# KiCad board gk.kicad_pcb (continued)
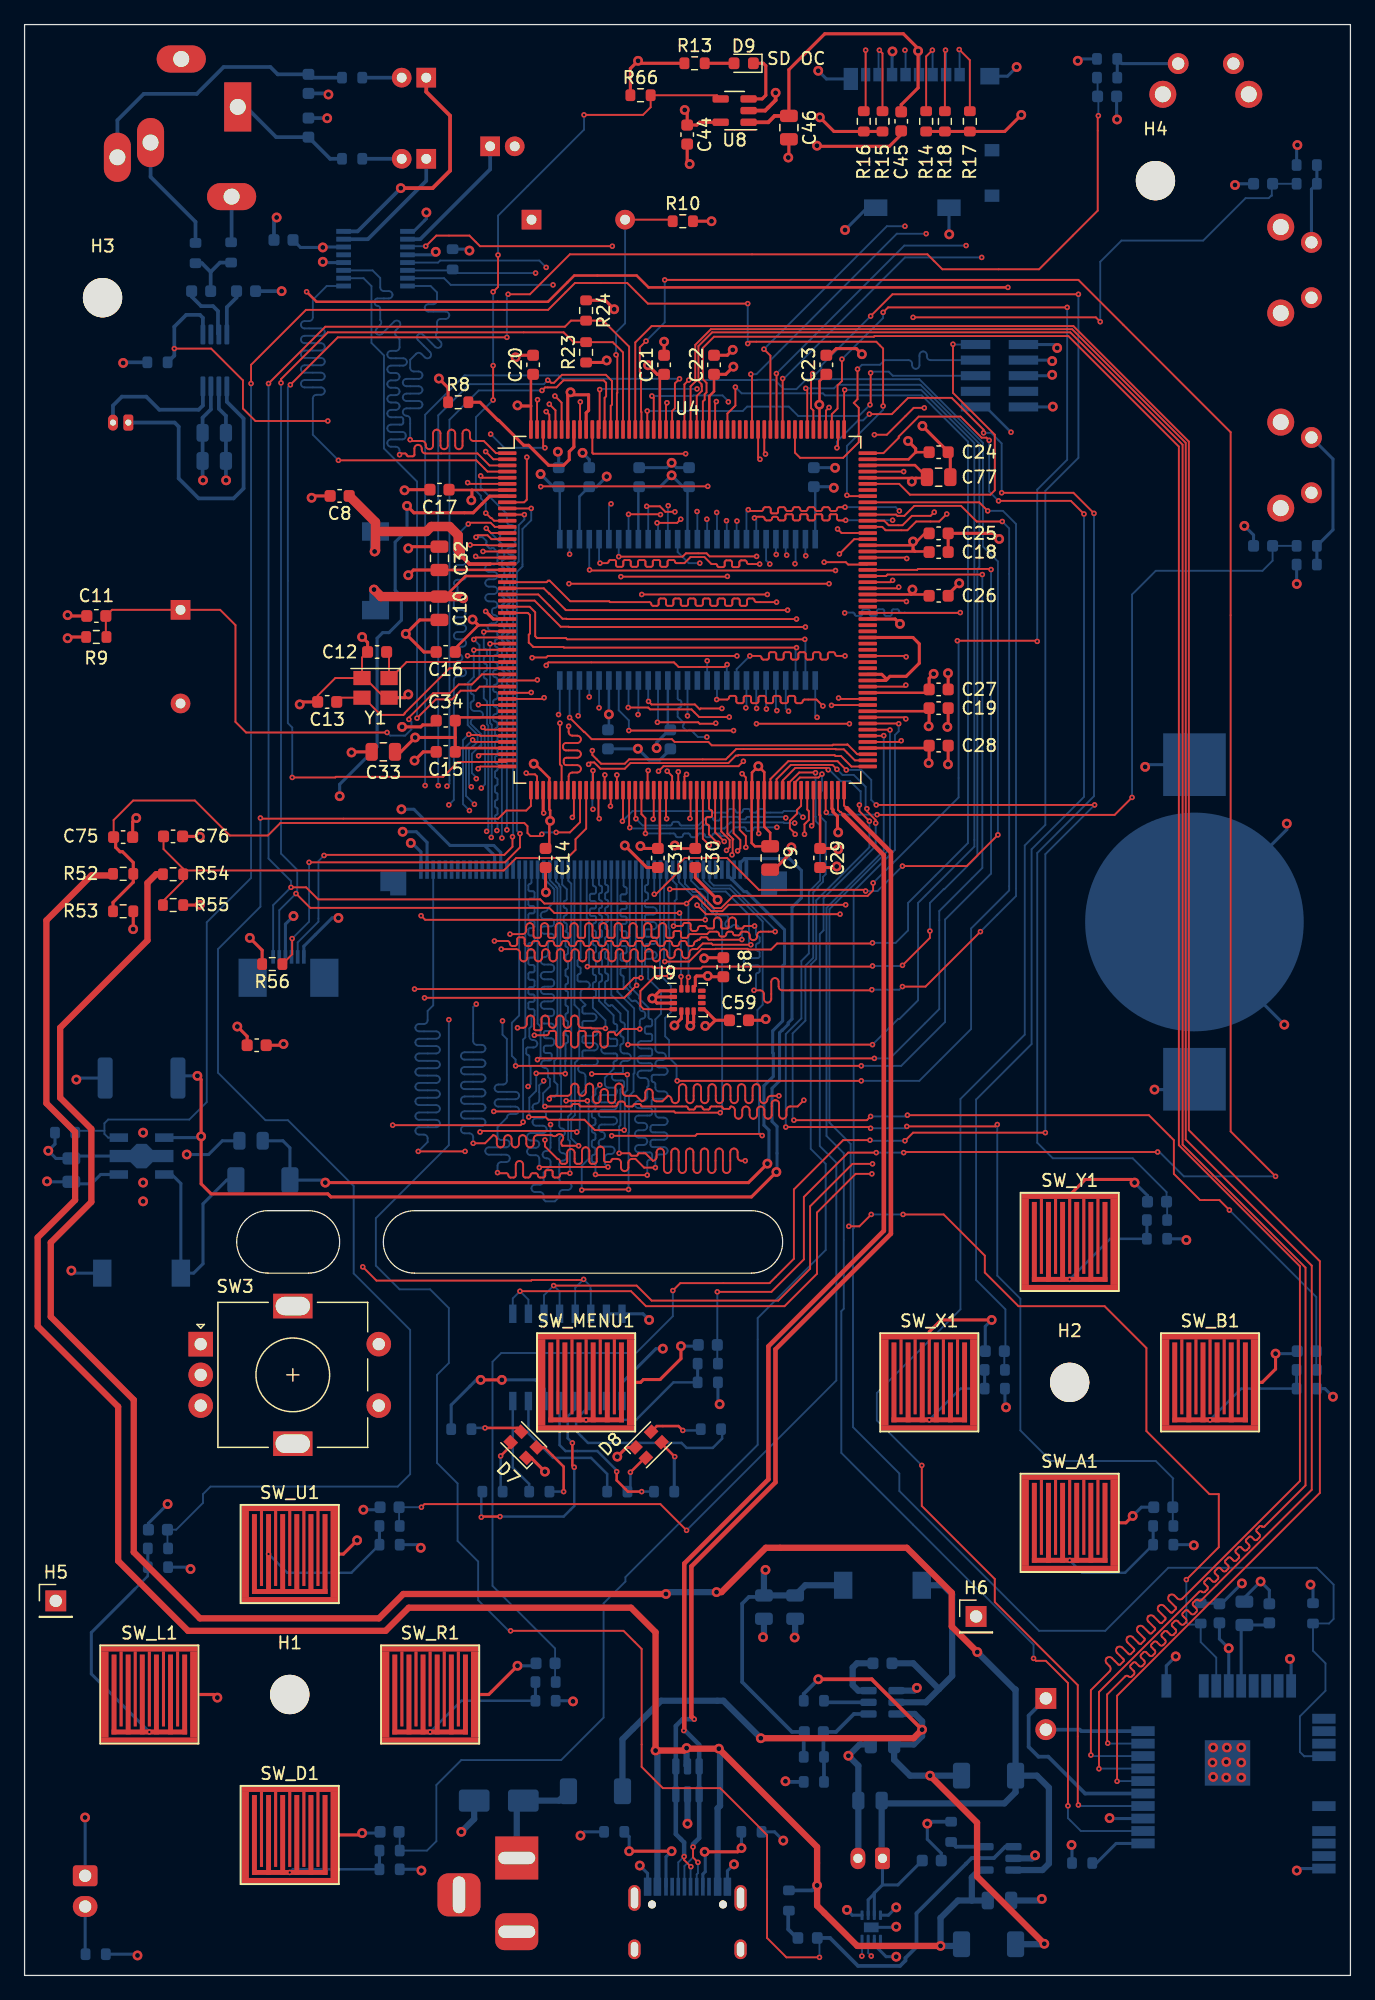
[diagram p0: board, top side]
## Routing (per net, layer and track width the routed paths; a pad name or vN(x,y) marks a point on that pad's centre or on a via; arc(x,y) is an arc through that point) (continued)
  Bottom w0.152: v2(51.5,118.2) 51.58,118.13 U6.11
FMC_D7: length 32.9
  Top w0.152: v2(55.75,91.98) 55.22,92.5 U4.81
  In3.Cu w0.152: v2(55.75,91.98) 55.22,92.5 55.22,92.98 arc(55.18,93.08) 55.08,93.13 arc(54.97,93.17) 54.92,93.28 54.92,93.58 arc(54.97,93.68) 55.08,93.73 arc(55.18,93.77) 55.22,93.88 55.22,94.18 arc(55.18,94.28) 55.08,94.33 arc(54.97,94.37) 54.92,94.48 54.92,94.78 arc(54.97,94.88) 55.08,94.93 arc(55.18,94.97) 55.22,95.08 55.22,95.38 arc(55.18,95.48) 55.08,95.53 arc(54.97,95.57) 54.92,95.68 54.92,95.98 arc(54.97,96.08) 55.08,96.13 arc(55.18,96.17) 55.22,96.28 55.22,96.58 arc(55.18,96.68) 55.08,96.73 arc(54.97,96.77) 54.92,96.88 54.92,97.18 arc(54.97,97.28) 55.08,97.33 55.33,97.33 arc(55.4,97.35) 55.42,97.43 55.42,97.83 arc(55.4,97.9) 55.33,97.93 arc(55.25,97.95) 55.22,98.03 55.22,98.2 54.95,98.48 54.95,114.9 v2(54.97,114.93)
  Bottom w0.152: U6.13 53.17,115.83 54.08,114.93 v2(54.97,114.93)
FMC_D8: length 23.1
  Top w0.152: U4.82 55.72,94.98 arc(55.76,94.89) 55.85,94.85 arc(55.94,94.81) 55.97,94.73 55.97,94.38 arc(55.94,94.29) 55.85,94.25 55.6,94.25 arc(55.51,94.21) 55.47,94.13 55.47,93.78 arc(55.51,93.69) 55.6,93.65 arc(55.69,93.61) 55.72,93.53 55.72,92.85 v2(56.45,92.12)
  In3.Cu w0.152: 55.6,98.55 55.6,98.6 ; 55.6,98.6 55.7,98.5 55.7,97.1 arc(55.67,97.03) 55.6,97 arc(55.53,96.97) 55.5,96.9 55.5,96.5 arc(55.53,96.43) 55.6,96.4 55.83,96.4 arc(55.91,96.36) 55.95,96.28 55.95,95.93 arc(55.91,95.84) 55.83,95.8 55.6,95.8 arc(55.53,95.77) 55.5,95.7 55.5,95.3 arc(55.53,95.23) 55.6,95.2 55.83,95.2 arc(55.91,95.16) 55.95,95.08 55.95,94.73 arc(55.91,94.64) 55.83,94.6 55.6,94.6 arc(55.53,94.57) 55.5,94.5 55.5,94.1 arc(55.53,94.03) 55.6,94 arc(55.67,93.97) 55.7,93.9 55.7,92.85 56.43,92.12 v2(56.45,92.12) ; 55.6,98.6 55.6,99.33 arc(55.64,99.43) 55.75,99.48 arc(55.86,99.52) 55.9,99.63 55.9,99.93 arc(55.86,100.03) 55.75,100.08 arc(55.64,100.12) 55.6,100.23 55.6,100.73 v2(55.55,100.78)
  Bottom w0.152: v2(55.55,100.78) 54.83,100.78 54.27,101.33 arc(54.16,101.37) 54.06,101.33 arc(53.95,101.29) 53.85,101.33 53.63,101.54 arc(53.59,101.65) 53.63,101.75 arc(53.68,101.86) 53.63,101.97 53.17,102.43 53.17,103.03 arc(53.22,103.13) 53.33,103.18 arc(53.43,103.22) 53.47,103.33 53.47,103.63 arc(53.43,103.73) 53.33,103.78 arc(53.22,103.82) 53.17,103.93 U6.42
FMC_D9: length 22.7
  Top w0.152: U4.83 56.22,93.02 v2(56.97,92.28) ; v2(56.27,101.9) 56.23,101.85 54.97,101.85 54.84,101.98 v2(51.52,101.98)
  In3.Cu w0.152: v2(56.27,101.9) 56.22,101.85 56.22,93.02 v2(56.97,92.28)
  Bottom w0.152: v2(51.52,101.98) 51.58,102.03 U6.44
FMC_D10: length 25.2
  Top w0.152: v2(56.77,103.1) 55.05,103.1 54.97,103.03 54.58,103.43 51.05,103.43 v2(50.8,103.68) ; v2(57.15,91.55) 57.41,91.81 57.41,92.4 56.72,93.08 U4.84
  In3.Cu w0.152: v2(56.77,103.1) 56.72,103.05 56.72,98.56 56.77,98.51 56.77,93.4 57.36,92.82 57.36,91.76 v2(57.15,91.55)
  Bottom w0.152: U6.45 50.77,103.7 v2(50.8,103.68)
FMC_D11: length 27.7
  Top w0.152: v2(57.38,102.4) 54.92,102.4 54.3,103.03 50.92,103.03 50.77,103.18 v2(49.15,103.18) ; v2(57.6,91.19) 57.65,91.24 57.65,92.4 57.7,92.45 57.22,92.93 U4.85
  In3.Cu w0.152: v2(57.38,102.4) 57.17,102.2 57.17,93.53 57.6,93.1 v2(57.6,91.19)
  Bottom w0.152: U6.47 49.17,103.2 v2(49.15,103.18)
FMC_D12: length 28.2
  Top w0.152: v2(58.06,91.51) 58.27,91.73 58.27,92.4 57.72,92.95 U4.86 ; v2(57.72,101.3) v2(49.2,101.3)
  In3.Cu w0.152: v2(57.72,101.3) 57.72,95.48 57.88,95.33 57.88,92.8 58.15,92.53 58.15,91.61 v2(58.06,91.51)
  Bottom w0.152: v2(49.2,101.3) 49.2,102.13 48.38,102.95 U6.48
FMC_D13: length 31.1
  Top w0.152: U4.105 67.33,98.38 66.47,99.23 66.02,99.23 65.95,99.3 58.12,99.3 58.08,99.26 57.91,99.26 57.3,98.65 49.33,98.65 48.87,98.2 46.89,98.2 46.38,98.7 46.08,98.7 v2(45.92,98.55)
  In3.Cu w0.152: v2(45.92,98.55) 46.79,99.42 46.79,101.3 46.69,101.4 46.69,103.06 v2(46.77,103.15)
  Bottom w0.152: U6.50 v2(46.77,103.15)
FMC_D14: length 29.8
  Top w0.152: U4.106 67.6,98.88 66.7,99.78 66.05,99.78 66.02,99.8 57.94,99.8 57.1,98.96 49.23,98.96 48.87,98.6 46.94,98.6 46.23,99.31 v2(46.23,99.67)
  In3.Cu w0.152: v2(46.23,99.67) 46.23,103.79 v2(45.97,104.04)
  Bottom w0.152: U6.51 v2(45.97,104.04)
FMC_D15: length 28.6
  Top w0.152: v2(44.38,102.36) 45.54,101.2 45.58,101.2 46.17,100.6 52.7,100.6 52.92,100.38 55.67,100.38 55.95,100.1 65.77,100.1 65.83,100.15 66.97,100.15 67,100.18 67.8,99.38 U4.107
  Bottom w0.152: U6.53 v2(44.38,102.36)
FMC_NBL0: length 23.5
  Top w0.152: U4.197 46.83,125.9 v2(46.83,129.05)
  In3.Cu w0.152: v2(54.75,119.13) v2(54.75,129.1)
  Bottom w0.152: U6.15 54.77,119.1 v2(54.75,119.13) ; v2(54.75,129.1) 46.88,129.1 v2(46.83,129.05)
FMC_NBL1: length 29
  Top w0.152: U4.198 46.22,123.9 46.3,123.83 v2(53.83,123.83)
  In3.Cu w0.152: v2(53.83,123.83) 54,123.65 54,118.58 55.95,116.63 55.95,114.75 55.58,114.38 v2(55.58,106.98)
  Bottom w0.152: v2(55.58,106.98) 55.58,106.97 U6.39
FMC_SDCKE0: length 22.2
  Top w0.152: U4.41 42.2,103.88 v2(42.3,103.98) ; v2(57.2,106.68) 57,106.48 53.25,106.48 52.88,106.85 42.65,106.85 42.45,106.65 42.47,106.63 v2(42.47,106.6)
  In3.Cu w0.152: v2(42.3,103.98) 42.47,104.15 v2(42.47,106.6)
  Bottom w0.152: v2(57.2,106.68) 57.17,106.65 U6.37
FMC_SDCLK: length 35.5
  Top w0.152: v2(65,103.3) 64.47,103.83 63.5,103.83 arc(63.39,103.78) 63.35,103.68 arc(63.31,103.57) 63.2,103.53 62.9,103.53 arc(62.79,103.57) 62.75,103.68 62.75,103.98 arc(62.71,104.08) 62.6,104.13 62.3,104.13 arc(62.19,104.08) 62.15,103.98 62.15,103.68 arc(62.11,103.57) 62,103.53 61.7,103.53 arc(61.59,103.57) 61.55,103.68 61.55,103.98 arc(61.51,104.08) 61.4,104.13 61.1,104.13 arc(60.99,104.08) 60.95,103.98 60.95,103.68 arc(60.91,103.57) 60.8,103.53 60.5,103.53 arc(60.39,103.57) 60.35,103.68 60.35,103.98 arc(60.31,104.08) 60.2,104.13 59.9,104.13 arc(59.79,104.08) 59.75,103.98 59.75,103.68 arc(59.71,103.57) 59.6,103.53 59.3,103.53 arc(59.19,103.57) 59.15,103.68 59.15,103.98 arc(59.11,104.08) 59,104.13 58.7,104.13 arc(58.59,104.08) 58.55,103.98 58.55,103.68 arc(58.51,103.57) 58.4,103.53 58.1,103.53 arc(57.99,103.57) 57.95,103.68 57.95,103.98 arc(57.91,104.08) 57.8,104.13 57.5,104.13 arc(57.39,104.08) 57.35,103.98 arc(57.31,103.87) 57.2,103.83 v2(56.35,103.83) ; v2(65.1,115) 66.86,115 67.06,114.81 68.58,114.81 U4.138
  In3.Cu w0.152: v2(65.1,115) 65.1,111.93 65,111.83 arc(64.96,111.72) 64.85,111.68 arc(64.74,111.63) 64.7,111.53 64.7,111.23 arc(64.74,111.12) 64.85,111.08 65.15,111.08 arc(65.26,111.03) 65.3,110.93 65.3,110.63 arc(65.26,110.52) 65.15,110.48 64.85,110.48 arc(64.74,110.43) 64.7,110.33 64.7,110.03 arc(64.74,109.92) 64.85,109.88 65.15,109.88 arc(65.26,109.83) 65.3,109.73 65.3,109.43 arc(65.26,109.32) 65.15,109.28 64.85,109.28 arc(64.74,109.23) 64.7,109.13 64.7,108.83 arc(64.74,108.72) 64.85,108.68 65.15,108.68 arc(65.26,108.63) 65.3,108.53 65.3,108.23 arc(65.26,108.12) 65.15,108.08 64.85,108.08 arc(64.74,108.03) 64.7,107.93 64.7,107.63 arc(64.74,107.52) 64.85,107.48 65.15,107.48 arc(65.26,107.43) 65.3,107.33 65.3,107.03 arc(65.26,106.92) 65.15,106.88 64.85,106.88 arc(64.74,106.83) 64.7,106.73 64.7,106.43 arc(64.74,106.32) 64.85,106.28 65.15,106.28 arc(65.26,106.23) 65.3,106.13 65.3,105.83 arc(65.26,105.72) 65.15,105.68 64.85,105.68 arc(64.74,105.63) 64.7,105.53 64.7,105.23 arc(64.74,105.12) 64.85,105.08 arc(64.96,105.03) 65,104.93 v2(65,103.3)
  Bottom w0.152: U6.38 56.38,103.85 v2(56.35,103.83)
FMC_SDNCAS: length 24.5
  Top w0.152: U4.188 51.22,128.38 v2(51.08,128.53)
  In3.Cu w0.152: v2(57.3,128.05) 56.35,127.1 56.35,125.13 arc(56.31,125.02) 56.2,124.98 arc(56.09,124.93) 56.05,124.83 56.05,124.53 arc(56.09,124.42) 56.2,124.38 56.5,124.38 arc(56.61,124.33) 56.65,124.23 56.65,123.93 arc(56.61,123.82) 56.5,123.78 56.2,123.78 arc(56.09,123.73) 56.05,123.63 56.05,123.33 arc(56.09,123.22) 56.2,123.18 56.5,123.18 arc(56.61,123.13) 56.65,123.03 56.65,122.73 arc(56.61,122.62) 56.5,122.58 56.2,122.58 arc(56.09,122.53) 56.05,122.43 56.05,122.13 arc(56.09,122.02) 56.2,121.98 56.5,121.98 arc(56.61,121.93) 56.65,121.83 56.65,121.53 arc(56.61,121.42) 56.5,121.38 56.2,121.38 arc(56.09,121.33) 56.05,121.23 56.05,120.93 arc(56.09,120.82) 56.2,120.78 56.5,120.78 arc(56.61,120.73) 56.65,120.63 56.65,120.33 arc(56.61,120.22) 56.5,120.18 arc(56.39,120.13) 56.35,120.03 v2(56.35,119.05)
  Bottom w0.152: v2(57.3,128.05) 57.3,128.1 56.83,128.58 54.45,128.58 54.4,128.53 v2(51.08,128.53) ; U6.17 56.38,119.03 v2(56.35,119.05)
FMC_SDNE0: length 34
  Top w0.152: v2(41.25,104.4) 41.22,104.38 U4.40 ; v2(58,107.38) 42.6,107.38 42.47,107.25 41.35,107.25 v2(41.33,107.23)
  In3.Cu w0.152: v2(58,118.35) v2(58,107.38) ; v2(41.33,107.23) 41.33,104.48 v2(41.25,104.4)
  Bottom w0.152: U6.19 57.97,118.33 v2(58,118.35)
FMC_SDNRAS: length 37.8
  Top w0.152: U4.67 v2(48.22,97.69) ; v2(57.22,113.85) 57.2,113.83 v2(48.55,113.83)
  In3.Cu w0.152: v2(57.15,118.38) 57.22,118.3 v2(57.22,113.85) ; v2(48.55,113.83) 48.55,112.6 arc(48.51,112.49) 48.4,112.45 arc(48.3,112.41) 48.25,112.3 48.25,112 arc(48.3,111.89) 48.4,111.85 48.7,111.85 arc(48.81,111.81) 48.85,111.7 48.85,111.4 arc(48.81,111.29) 48.7,111.25 48.4,111.25 arc(48.29,111.21) 48.25,111.1 48.25,110.8 arc(48.29,110.69) 48.4,110.65 48.7,110.65 arc(48.81,110.61) 48.85,110.5 48.85,110.2 arc(48.81,110.09) 48.7,110.05 48.4,110.05 arc(48.29,110.01) 48.25,109.9 48.25,109.6 arc(48.29,109.49) 48.4,109.45 48.7,109.45 arc(48.8,109.41) 48.85,109.3 48.85,109 arc(48.8,108.89) 48.7,108.85 48.4,108.85 arc(48.29,108.81) 48.25,108.7 48.25,108.4 arc(48.29,108.29) 48.4,108.25 48.7,108.25 arc(48.81,108.21) 48.85,108.1 48.85,107.8 arc(48.81,107.69) 48.7,107.65 48.4,107.65 arc(48.3,107.61) 48.25,107.5 48.25,107.2 arc(48.3,107.09) 48.4,107.05 48.7,107.05 arc(48.81,107.01) 48.85,106.9 48.85,106.6 arc(48.81,106.49) 48.7,106.45 48.4,106.45 arc(48.29,106.41) 48.25,106.3 48.25,106 arc(48.29,105.89) 48.4,105.85 48.7,105.85 arc(48.8,105.81) 48.85,105.7 48.85,105.4 arc(48.8,105.29) 48.7,105.25 arc(48.59,105.21) 48.55,105.1 48.55,103.3 48.27,103.03 48.27,97.74 v2(48.22,97.69)
  Bottom w0.152: U6.18 57.17,118.35 v2(57.15,118.38)
FMC_SDNWE: length 36.2
  Top w0.152: v2(55.62,121.18) 42.05,121.18 ; U4.38 41.7,105.38 v2(41.75,105.43)
  In3.Cu w0.152: v2(55.55,118.5) 55.55,121.1 v2(55.62,121.18) ; v2(41.75,105.43) 42.02,105.7 v2(42.02,121.15)
  Bottom w0.152: U6.16 55.58,118.48 v2(55.55,118.5)
I2C4_SCL: length 234.4
  Top w0.152: v2(66.85,87.12) 57.32,87.12 56.81,86.61 55.91,86.61 54.72,87.79 54.47,87.79 v2(53.9,87.22) 42.33,87.22 41.99,87.56 23.9,87.56 22.92,88.54 v2(21.69,88.54) ; v2(54.05,81.23) 53.97,81.15 U9.13 ; v2(19.86,129.54) 24.49,134.16 43.99,134.16 44.49,134.66 R24.2 47.1,134.66 49.22,132.54 U4.192
  In3.Cu w0.152: v2(68.94,1.57) 68.94,5.89 65.84,8.99 65.84,16.46 61.52,20.78 61.52,23.06 65.53,27.08 65.53,40.23 68.02,42.72 68.02,59.69 68.33,59.99 68.33,66.04 67.06,67.31 67.06,86.92 v2(66.85,87.12)
  Bottom w0.152: U10.7 68.69,1.82 v2(68.94,1.57) ; v2(19.86,129.54) 19.86,90.88 21.69,89.05 v2(21.69,88.54) 20.24,87.09 J9.6 ; v2(53.9,87.22) 54,87.22 54.05,87.17 v2(54.05,81.23)
I2C4_SDA: length 228.8
  Top w0.152: v2(53.44,81.28) 53.47,81.25 U9.14 ; v2(54.75,87.1) 55.49,86.36 v2(66.4,86.36) ; v2(53.32,86.46) 43.14,86.46 42.72,86.87 23.26,86.87 v2(22.1,88.04) ; U4.193 48.72,132.07 47.89,132.91 44.69,132.91 43.89,133.71 24.69,133.71 20.88,129.9 v2(20.88,129.59)
  In3.Cu w0.152: v2(53.32,86.46) 54.11,86.46 v2(54.75,87.1) ; v2(68.17,1.57) 68.17,5.84 65.38,8.64 65.38,15.95 61.06,20.27 61.06,23.72 64.87,27.53 64.87,40.39 67.41,42.93 67.41,59.89 67.92,60.4 67.92,65.58 66.6,66.9 66.6,86.16 v2(66.4,86.36)
  Bottom w0.152: J9.5 20.74,86.68 v2(22.1,88.04) 22.2,88.14 22.2,89.97 20.88,91.29 v2(20.88,129.59) ; U10.8 68.19,1.59 v2(68.17,1.57) ; v2(53.32,86.46) 53.44,86.34 v2(53.44,81.28)
LCD_CS: length 75.5
  Top w0.152: U4.30 37.44,109.38 v2(37.39,109.32) ; v2(38.81,83.52) 40.03,83.52 arc(40.24,83.43) 40.33,83.22 40.33,82.82 arc(40.42,82.6) 40.63,82.52 arc(40.84,82.6) 40.93,82.82 40.93,83.22 arc(41.02,83.43) 41.23,83.52 arc(41.44,83.43) 41.53,83.22 41.53,82.82 arc(41.62,82.6) 41.83,82.52 arc(42.04,82.6) 42.13,82.82 42.13,83.22 arc(42.22,83.43) 42.43,83.52 arc(42.64,83.43) 42.73,83.22 42.73,82.82 arc(42.82,82.6) 43.03,82.52 arc(43.24,82.6) 43.33,82.82 43.33,83.22 arc(43.42,83.43) 43.63,83.52 arc(43.84,83.43) 43.93,83.22 43.93,82.82 arc(44.02,82.6) 44.23,82.52 arc(44.44,82.6) 44.53,82.82 44.53,83.22 arc(44.62,83.43) 44.83,83.52 arc(45.04,83.43) 45.13,83.22 45.13,82.82 arc(45.22,82.6) 45.43,82.52 arc(45.64,82.6) 45.73,82.82 45.73,83.22 arc(45.82,83.43) 46.03,83.52 arc(46.24,83.43) 46.33,83.22 46.33,82.82 arc(46.42,82.6) 46.63,82.52 arc(46.84,82.6) 46.93,82.82 46.93,83.22 arc(47.02,83.43) 47.23,83.52 arc(47.44,83.43) 47.53,83.22 47.53,82.82 arc(47.62,82.6) 47.83,82.52 arc(48.04,82.6) 48.13,82.82 48.13,83.22 arc(48.22,83.43) 48.43,83.52 arc(48.64,83.43) 48.73,83.22 48.73,82.82 arc(48.82,82.6) 49.03,82.52 arc(49.24,82.6) 49.33,82.82 49.33,83.22 arc(49.42,83.43) 49.63,83.52 arc(49.84,83.43) 49.93,83.22 49.93,82.82 arc(50.02,82.6) 50.23,82.52 arc(50.44,82.6) 50.53,82.82 50.53,83.22 arc(50.62,83.43) 50.83,83.52 arc(51.04,83.43) 51.13,83.22 51.13,82.82 arc(51.22,82.6) 51.43,82.52 arc(51.64,82.6) 51.73,82.82 51.73,83.22 arc(51.82,83.43) 52.03,83.52 arc(52.24,83.43) 52.33,83.22 52.33,83.07 arc(52.42,82.85) 52.63,82.77 arc(52.84,82.85) 52.93,83.07 52.93,83.22 arc(53.02,83.43) 53.23,83.52 arc(53.44,83.43) 53.53,83.22 53.53,83.07 arc(53.62,82.85) 53.83,82.77 arc(54.04,82.85) 54.13,83.07 54.13,83.22 arc(54.22,83.43) 54.43,83.52 54.76,83.52 55.22,83.97 55.93,83.97 56.03,83.87 v2(59.13,83.87)
  In3.Cu w0.152: v2(38.81,83.52) 38.81,84.84 37.85,85.8 37.85,91.85 37.39,92.3 37.39,92.66 37.62,92.89 v2(37.62,93.1)
  Bottom w0.152: J3.9 54.77,89.26 55.83,88.2 57.09,88.2 58.98,86.31 58.98,84.02 v2(59.13,83.87) ; v2(37.39,109.32) 37.39,108.06 arc(37.43,107.97) 37.51,107.94 arc(37.6,107.9) 37.64,107.81 37.64,107.46 arc(37.6,107.37) 37.51,107.34 arc(37.43,107.3) 37.39,107.21 37.39,106.86 arc(37.43,106.77) 37.51,106.74 arc(37.6,106.7) 37.64,106.61 37.64,106.26 arc(37.6,106.17) 37.51,106.14 arc(37.43,106.1) 37.39,106.01 37.39,105.66 arc(37.43,105.57) 37.51,105.54 arc(37.6,105.5) 37.64,105.41 37.64,105.06 arc(37.6,104.97) 37.51,104.94 arc(37.43,104.9) 37.39,104.81 37.39,103.94 37.65,103.67 37.65,101.8 37.76,101.7 37.76,93.24 v2(37.62,93.1)
LCD_RESET: length 65.4
  Top w0.152: v2(47.8,68.33) 54.61,68.33 54.76,68.48 59.92,68.48 v2(60.05,68.34) ; v2(47.7,95.15) 47.72,95.17 U4.66
  In3.Cu w0.152: v2(47.8,68.33) 47.7,68.43 v2(47.7,95.15)
  Bottom w0.152: v2(60.05,68.34) 59.8,68.6 59.8,72.48 59.67,72.61 59.67,78.57 60.1,78.99 60.1,85.76 57.42,88.44 55.93,88.44 55.27,89.1 J3.8
LCD_SCL: length 71.2
  Top w0.152: U4.31 36.74,108.88 v2(36.58,108.71) ; v2(38.25,84.18) 39.31,84.18 arc(39.45,84.12) 39.51,83.98 arc(39.57,83.83) 39.71,83.78 39.91,83.78 arc(40.05,83.83) 40.11,83.98 40.11,84.33 arc(40.16,84.43) 40.26,84.48 40.56,84.48 arc(40.67,84.43) 40.71,84.33 40.71,83.98 arc(40.77,83.83) 40.91,83.78 41.11,83.78 arc(41.25,83.83) 41.31,83.98 arc(41.37,84.12) 41.51,84.18 41.71,84.18 arc(41.85,84.12) 41.91,83.98 arc(41.97,83.83) 42.11,83.78 42.31,83.78 arc(42.45,83.83) 42.51,83.98 arc(42.57,84.12) 42.71,84.18 42.91,84.18 arc(43.05,84.12) 43.11,83.98 arc(43.17,83.83) 43.31,83.78 43.51,83.78 arc(43.65,83.83) 43.71,83.98 arc(43.77,84.12) 43.91,84.18 44.11,84.18 arc(44.25,84.12) 44.31,83.98 arc(44.37,83.83) 44.51,83.78 44.71,83.78 arc(44.85,83.83) 44.91,83.98 arc(44.97,84.12) 45.11,84.18 45.31,84.18 arc(45.45,84.12) 45.51,83.98 arc(45.57,83.83) 45.71,83.78 45.91,83.78 arc(46.05,83.83) 46.11,83.98 arc(46.17,84.12) 46.31,84.18 46.51,84.18 arc(46.65,84.12) 46.71,83.98 arc(46.77,83.83) 46.91,83.78 47.11,83.78 arc(47.25,83.83) 47.31,83.98 arc(47.37,84.12) 47.51,84.18 47.71,84.18 arc(47.85,84.12) 47.91,83.98 arc(47.97,83.83) 48.11,83.78 48.31,83.78 arc(48.45,83.83) 48.51,83.98 arc(48.57,84.12) 48.71,84.18 48.91,84.18 arc(49.05,84.12) 49.11,83.98 arc(49.17,83.83) 49.31,83.78 49.51,83.78 arc(49.65,83.83) 49.71,83.98 arc(49.77,84.12) 49.91,84.18 50.11,84.18 arc(50.25,84.12) 50.31,83.98 arc(50.37,83.83) 50.51,83.78 50.71,83.78 arc(50.85,83.83) 50.91,83.98 arc(50.97,84.12) 51.11,84.18 51.31,84.18 arc(51.45,84.12) 51.51,83.98 arc(51.57,83.83) 51.71,83.78 51.91,83.78 arc(52.05,83.83) 52.11,83.98 arc(52.17,84.12) 52.31,84.18 52.51,84.18 arc(52.65,84.12) 52.71,83.98 arc(52.77,83.83) 52.91,83.78 53.11,83.78 arc(53.25,83.83) 53.31,83.98 arc(53.37,84.12) 53.51,84.18 53.71,84.18 arc(53.85,84.12) 53.91,83.98 arc(53.97,83.83) 54.11,83.78 54.31,83.78 arc(54.45,83.83) 54.51,83.98 arc(54.57,84.12) 54.71,84.18 54.81,84.28 54.91,84.28 arc(54.99,84.31) 55.01,84.38 arc(55.04,84.45) 55.11,84.48 55.51,84.48 arc(55.59,84.45) 55.61,84.38 arc(55.64,84.31) 55.71,84.28 58.38,84.28 v2(58.4,84.3)
  In3.Cu w0.152: v2(36.78,97.38) 37.54,97.38 38.05,96.88 38.05,96.68 arc(38.14,96.47) 38.35,96.38 38.75,96.38 arc(38.96,96.3) 39.05,96.08 arc(38.96,95.87) 38.75,95.78 38.35,95.78 arc(38.14,95.7) 38.05,95.48 arc(38.14,95.27) 38.35,95.18 38.75,95.18 arc(38.96,95.1) 39.05,94.88 arc(38.96,94.67) 38.75,94.58 38.35,94.58 arc(38.14,94.5) 38.05,94.28 37.13,93.37 37.08,93.37 37.08,92.1 37.49,91.69 37.49,85.24 38.25,84.48 v2(38.25,84.18)
  Bottom w0.152: v2(36.58,108.71) 37.03,108.25 37.03,105.71 36.32,105 36.32,104.39 arc(36.36,104.31) 36.45,104.27 arc(36.54,104.23) 36.57,104.14 36.57,103.79 arc(36.54,103.71) 36.45,103.67 arc(36.36,103.63) 36.32,103.54 36.32,103.19 arc(36.41,102.98) 36.62,102.89 37.02,102.89 arc(37.23,102.81) 37.32,102.59 arc(37.23,102.38) 37.02,102.29 36.62,102.29 arc(36.41,102.21) 36.32,101.99 36.32,101.85 37.19,100.99 37.19,100.08 37.08,100.08 36.42,99.42 36.42,97.84 36.78,97.49 v2(36.78,97.38) ; J3.10 54.27,89.08 54.95,88.4 55.29,88.4 55.63,88.06 55.63,87.22 56.59,86.26 57.2,86.26 arc(57.29,86.05) 57.2,85.83 57.13,85.76 arc(57.04,85.55) 57.13,85.34 arc(57.34,85.25) 57.55,85.34 57.63,85.41 arc(57.84,85.5) 58.05,85.41 58.4,85.06 v2(58.4,84.3)
LCD_SDI: length 82.2
  Top w0.152: v2(38.2,70.31) 52.88,70.31 52.98,70.21 v2(56.64,70.21) ; U4.33 36.6,107.88 v2(36.58,107.85)
  In3.Cu w0.152: v2(36.37,96.72) 36.37,96.42 37.05,95.75 37.05,94.07 36.6,93.62 36.6,83.44 38.2,81.84 v2(38.2,70.31)
  Bottom w0.152: v2(36.58,107.85) 36.58,105.66 36.08,105.17 36.08,101.75 36.88,100.95 36.88,100.38 36.56,100.06 36.53,100.06 36.18,99.72 36.18,96.91 v2(36.37,96.72) ; v2(56.64,70.21) 56.79,70.36 56.79,85.71 55.38,87.12 55.38,87.73 54.95,88.16 54.43,88.16 53.77,88.83 J3.11
LCD_SDO: length 79.6
  Top w0.152: U4.32 37.92,108.38 v2(37.9,108.36) ; v2(61.11,84.94) 59.94,84.94 arc(59.73,84.85) 59.64,84.64 59.64,84.54 arc(59.55,84.33) 59.34,84.24 arc(59.13,84.33) 59.04,84.54 59.04,84.64 arc(58.95,84.85) 58.74,84.94 58.44,84.94 arc(58.33,84.89) 58.29,84.79 arc(58.24,84.68) 58.14,84.64 57.84,84.64 arc(57.73,84.68) 57.69,84.79 arc(57.64,84.89) 57.54,84.94 57.34,84.94 arc(57.2,84.88) 57.14,84.74 arc(57.08,84.6) 56.94,84.54 56.74,84.54 arc(56.6,84.6) 56.54,84.74 arc(56.48,84.88) 56.34,84.94 55.78,84.94 55.58,84.73 54.19,84.73 arc(54.08,84.69) 54.04,84.58 arc(53.99,84.48) 53.89,84.43 53.59,84.43 arc(53.48,84.48) 53.44,84.58 53.44,84.86 arc(53.4,84.95) 53.31,84.98 52.96,84.98 arc(52.88,84.95) 52.84,84.86 52.84,84.58 arc(52.79,84.48) 52.69,84.43 52.39,84.43 arc(52.28,84.48) 52.24,84.58 52.24,85.33 arc(52.15,85.55) 51.94,85.63 arc(51.73,85.55) 51.64,85.33 51.64,84.58 arc(51.59,84.48) 51.49,84.43 51.19,84.43 arc(51.08,84.48) 51.04,84.58 51.04,85.33 arc(50.95,85.55) 50.74,85.63 arc(50.53,85.55) 50.44,85.33 50.44,84.58 arc(50.39,84.48) 50.29,84.43 49.99,84.43 arc(49.88,84.48) 49.84,84.58 49.84,85.33 arc(49.75,85.55) 49.54,85.63 arc(49.33,85.55) 49.24,85.33 49.24,84.58 arc(49.19,84.48) 49.09,84.43 48.79,84.43 arc(48.68,84.48) 48.64,84.58 48.64,85.33 arc(48.55,85.55) 48.34,85.63 arc(48.13,85.55) 48.04,85.33 48.04,84.58 arc(47.99,84.48) 47.89,84.43 47.59,84.43 arc(47.48,84.48) 47.44,84.58 47.44,85.33 arc(47.35,85.55) 47.14,85.63 arc(46.93,85.55) 46.84,85.33 46.84,84.58 arc(46.79,84.48) 46.69,84.43 46.39,84.43 arc(46.28,84.48) 46.24,84.58 46.24,85.33 arc(46.15,85.55) 45.94,85.63 arc(45.73,85.55) 45.64,85.33 45.64,84.58 arc(45.59,84.48) 45.49,84.43 45.19,84.43 arc(45.08,84.48) 45.04,84.58 45.04,85.33 arc(44.95,85.55) 44.74,85.63 arc(44.53,85.55) 44.44,85.33 44.44,84.58 arc(44.39,84.48) 44.29,84.43 43.99,84.43 arc(43.88,84.48) 43.84,84.58 43.84,85.33 arc(43.75,85.55) 43.54,85.63 arc(43.33,85.55) 43.24,85.33 43.24,84.58 arc(43.19,84.48) 43.09,84.43 42.79,84.43 arc(42.68,84.48) 42.64,84.58 42.64,85.33 arc(42.55,85.55) 42.34,85.63 arc(42.13,85.55) 42.04,85.33 42.04,84.58 arc(41.99,84.48) 41.89,84.43 41.59,84.43 arc(41.48,84.48) 41.44,84.58 41.44,85.33 arc(41.35,85.55) 41.14,85.63 arc(40.93,85.55) 40.84,85.33 40.84,85.03 arc(40.75,84.82) 40.54,84.73 v2(39.52,84.73)
  In3.Cu w0.152: v2(39.52,84.73) 39.52,85.04 39.06,85.5 arc(38.92,85.56) 38.78,85.5 arc(38.64,85.44) 38.5,85.5 38.35,85.64 arc(38.3,85.78) 38.35,85.92 arc(38.41,86.07) 38.35,86.21 38.35,86.85 arc(38.32,86.94) 38.23,86.98 arc(38.14,87.01) 38.1,87.1 38.1,87.45 arc(38.14,87.54) 38.23,87.58 arc(38.32,87.61) 38.35,87.7 38.35,88.05 arc(38.32,88.14) 38.23,88.18 arc(38.14,88.21) 38.1,88.3 38.1,88.65 arc(38.14,88.74) 38.23,88.78 arc(38.32,88.81) 38.35,88.9 38.35,89.75 arc(38.32,89.83) 38.23,89.87 arc(38.14,89.91) 38.1,90 38.1,90.35 arc(38.14,90.43) 38.23,90.47 arc(38.32,90.51) 38.35,90.6 38.35,90.95 arc(38.32,91.03) 38.23,91.07 arc(38.14,91.11) 38.1,91.2 38.1,91.55 arc(38.14,91.63) 38.23,91.67 arc(38.32,91.71) 38.35,91.8 38.35,91.9 38,92.25 v2(38,92.61)
  Bottom w0.152: v2(61.11,84.94) 61.11,85.09 57.51,88.7 56.11,88.7 55.77,89.03 J3.7 ; v2(38,92.61) 38.04,92.65 38.04,101.76 37.9,101.9 v2(37.9,108.36)
LED_BACKLIGHT_PWM: length 148.5
  Top w0.152: v2(69.9,127.71) 69.9,132.38 69.34,132.94 59.03,132.94 v2(58.88,132.79) ; v2(66.95,120.45) 67.03,120.38 U4.149 ; v2(58.88,136.04) 50.75,136.04 49.07,137.72 44.81,137.72 42.62,135.53 22.91,135.53 18.44,131.06 v2(18.44,129.54)
  Bottom w0.152: 6.5,68.73 6.5,69.34 6.81,69.65 13.41,69.65 14.83,71.07 14.83,85.7 18.44,89.31 v2(18.44,129.54) ; 6.5,68.73 6.5,68.48 6.81,68.18 U5.3 ; 6.5,68.73 4.28,68.73 4.13,68.58 ; v2(69.9,127.71) 69.9,127.41 66.95,124.46 v2(66.95,120.45) ; v2(58.88,132.79) v2(58.88,136.04)
LSM6DSL_INT1: length 116.1
  Top w0.152: v2(66.55,131.52) 66.55,129.74 66.19,129.39 66.19,127.51 65.72,127.04 U4.159 ; v2(69.09,88.9) 69.09,88.3 68.64,87.85 57.71,87.85 56.71,86.85 56.15,86.85 54.6,88.39 v2(52.53,88.39) ; v2(75.95,108.61) 82.4,108.61 v2(82.45,108.56) ; v2(69.9,135.33) 70.31,135.74 v2(84.89,135.74) ; U9.4 50.41,78.63 50.14,78.89 50.14,80.11 51.36,81.33 v2(52.48,81.33)
  Bottom w0.152: v2(52.53,88.39) 52.44,88.31 52.44,85.23 52.51,85.16 52.51,82.34 52.48,82.3 v2(52.48,81.33) ; v2(69.9,135.33) 69.9,134.87 v2(66.55,131.52) ; v2(84.89,135.74) 84.89,123.34 82.45,120.9 v2(82.45,108.56) ; v2(75.95,108.61) 76.05,108.51 76.05,95.86 v2(69.09,88.9)
LTDC_B0: length 96
  Top w0.152: U4.185 52.72,127.3 52.95,127.53 52.95,129.55 v2(53.33,129.93) ; v2(32.28,86.23) 32.61,85.9 v2(55.42,85.9)
  In3.Cu w0.152: v2(32.61,96.82) 32.61,86.56 v2(32.28,86.23)
  Bottom w0.152: v2(55.42,85.9) 55.42,86.74 55.14,87.02 55.14,87.61 54.86,87.88 54.37,87.88 53.27,88.98 J3.12 ; v2(53.33,129.93) 43.75,129.93 43.47,130.2 35.81,130.2 32.61,127 v2(32.61,96.82)
LTDC_B1: length 94.5
  Top w0.152: v2(52.83,85.39) 53.5,85.39 arc(53.59,85.43) 53.62,85.52 arc(53.66,85.61) 53.75,85.64 54.1,85.64 arc(54.19,85.61) 54.22,85.52 54.22,85.19 arc(54.28,85.05) 54.42,84.99 54.62,84.99 arc(54.76,85.05) 54.82,85.19 arc(54.88,85.34) 55.02,85.39 55.42,85.39 arc(55.49,85.37) 55.52,85.29 arc(55.55,85.22) 55.62,85.19 56.02,85.19 arc(56.09,85.22) 56.12,85.29 56.12,85.79 arc(56.21,86.01) 56.42,86.09 arc(56.64,86.01) 56.72,85.79 56.72,85.29 arc(56.75,85.22) 56.82,85.19 57.22,85.19 arc(57.29,85.22) 57.32,85.29 57.32,85.79 arc(57.41,86.01) 57.62,86.09 arc(57.84,86.01) 57.92,85.79 57.92,85.29 arc(57.95,85.22) 58.02,85.19 58.42,85.19 arc(58.49,85.22) 58.52,85.29 arc(58.55,85.37) 58.62,85.39 v2(59.44,85.39) ; v2(59.39,80.16) 59.89,80.16 arc(60.11,80.07) 60.19,79.86 60.19,79.46 arc(60.28,79.25) 60.49,79.16 arc(60.71,79.25) 60.79,79.46 60.79,80.86 arc(60.88,81.07) 61.09,81.16 arc(61.31,81.07) 61.39,80.86 61.39,80.46 arc(61.48,80.25) 61.69,80.16 68.94,80.16 v2(68.99,80.21) ; U4.148 77.72,119.88 v2(78.42,119.18) ; v2(71.48,80.47) 73.36,80.47 v2(77.83,84.94)
  Bottom w0.152: J3.13 52.77,89.08 53.09,88.77 53.09,87.58 52.93,87.43 52.93,85.5 v2(52.83,85.39) ; v2(59.44,85.39) 59.55,85.28 59.55,84.73 arc(59.59,84.63) 59.7,84.58 arc(59.81,84.54) 59.85,84.43 59.85,84.13 arc(59.81,84.03) 59.7,83.98 arc(59.59,83.94) 59.55,83.83 59.55,83.53 arc(59.59,83.43) 59.7,83.38 arc(59.81,83.34) 59.85,83.23 59.85,82.93 arc(59.81,82.83) 59.7,82.78 58.85,82.78 arc(58.64,82.7) 58.55,82.48 arc(58.64,82.27) 58.85,82.18 59.7,82.18 arc(59.81,82.14) 59.85,82.03 59.85,81.73 arc(59.81,81.63) 59.7,81.58 arc(59.59,81.54) 59.55,81.43 59.55,80.33 v2(59.39,80.16) ; v2(78.42,119.18) 79.65,119.18 80.72,118.11 80.72,87.83 v2(77.83,84.94) ; v2(68.99,80.21) 71.22,80.21 v2(71.48,80.47)
